# KiCad board design.kicad_pcb (continued)
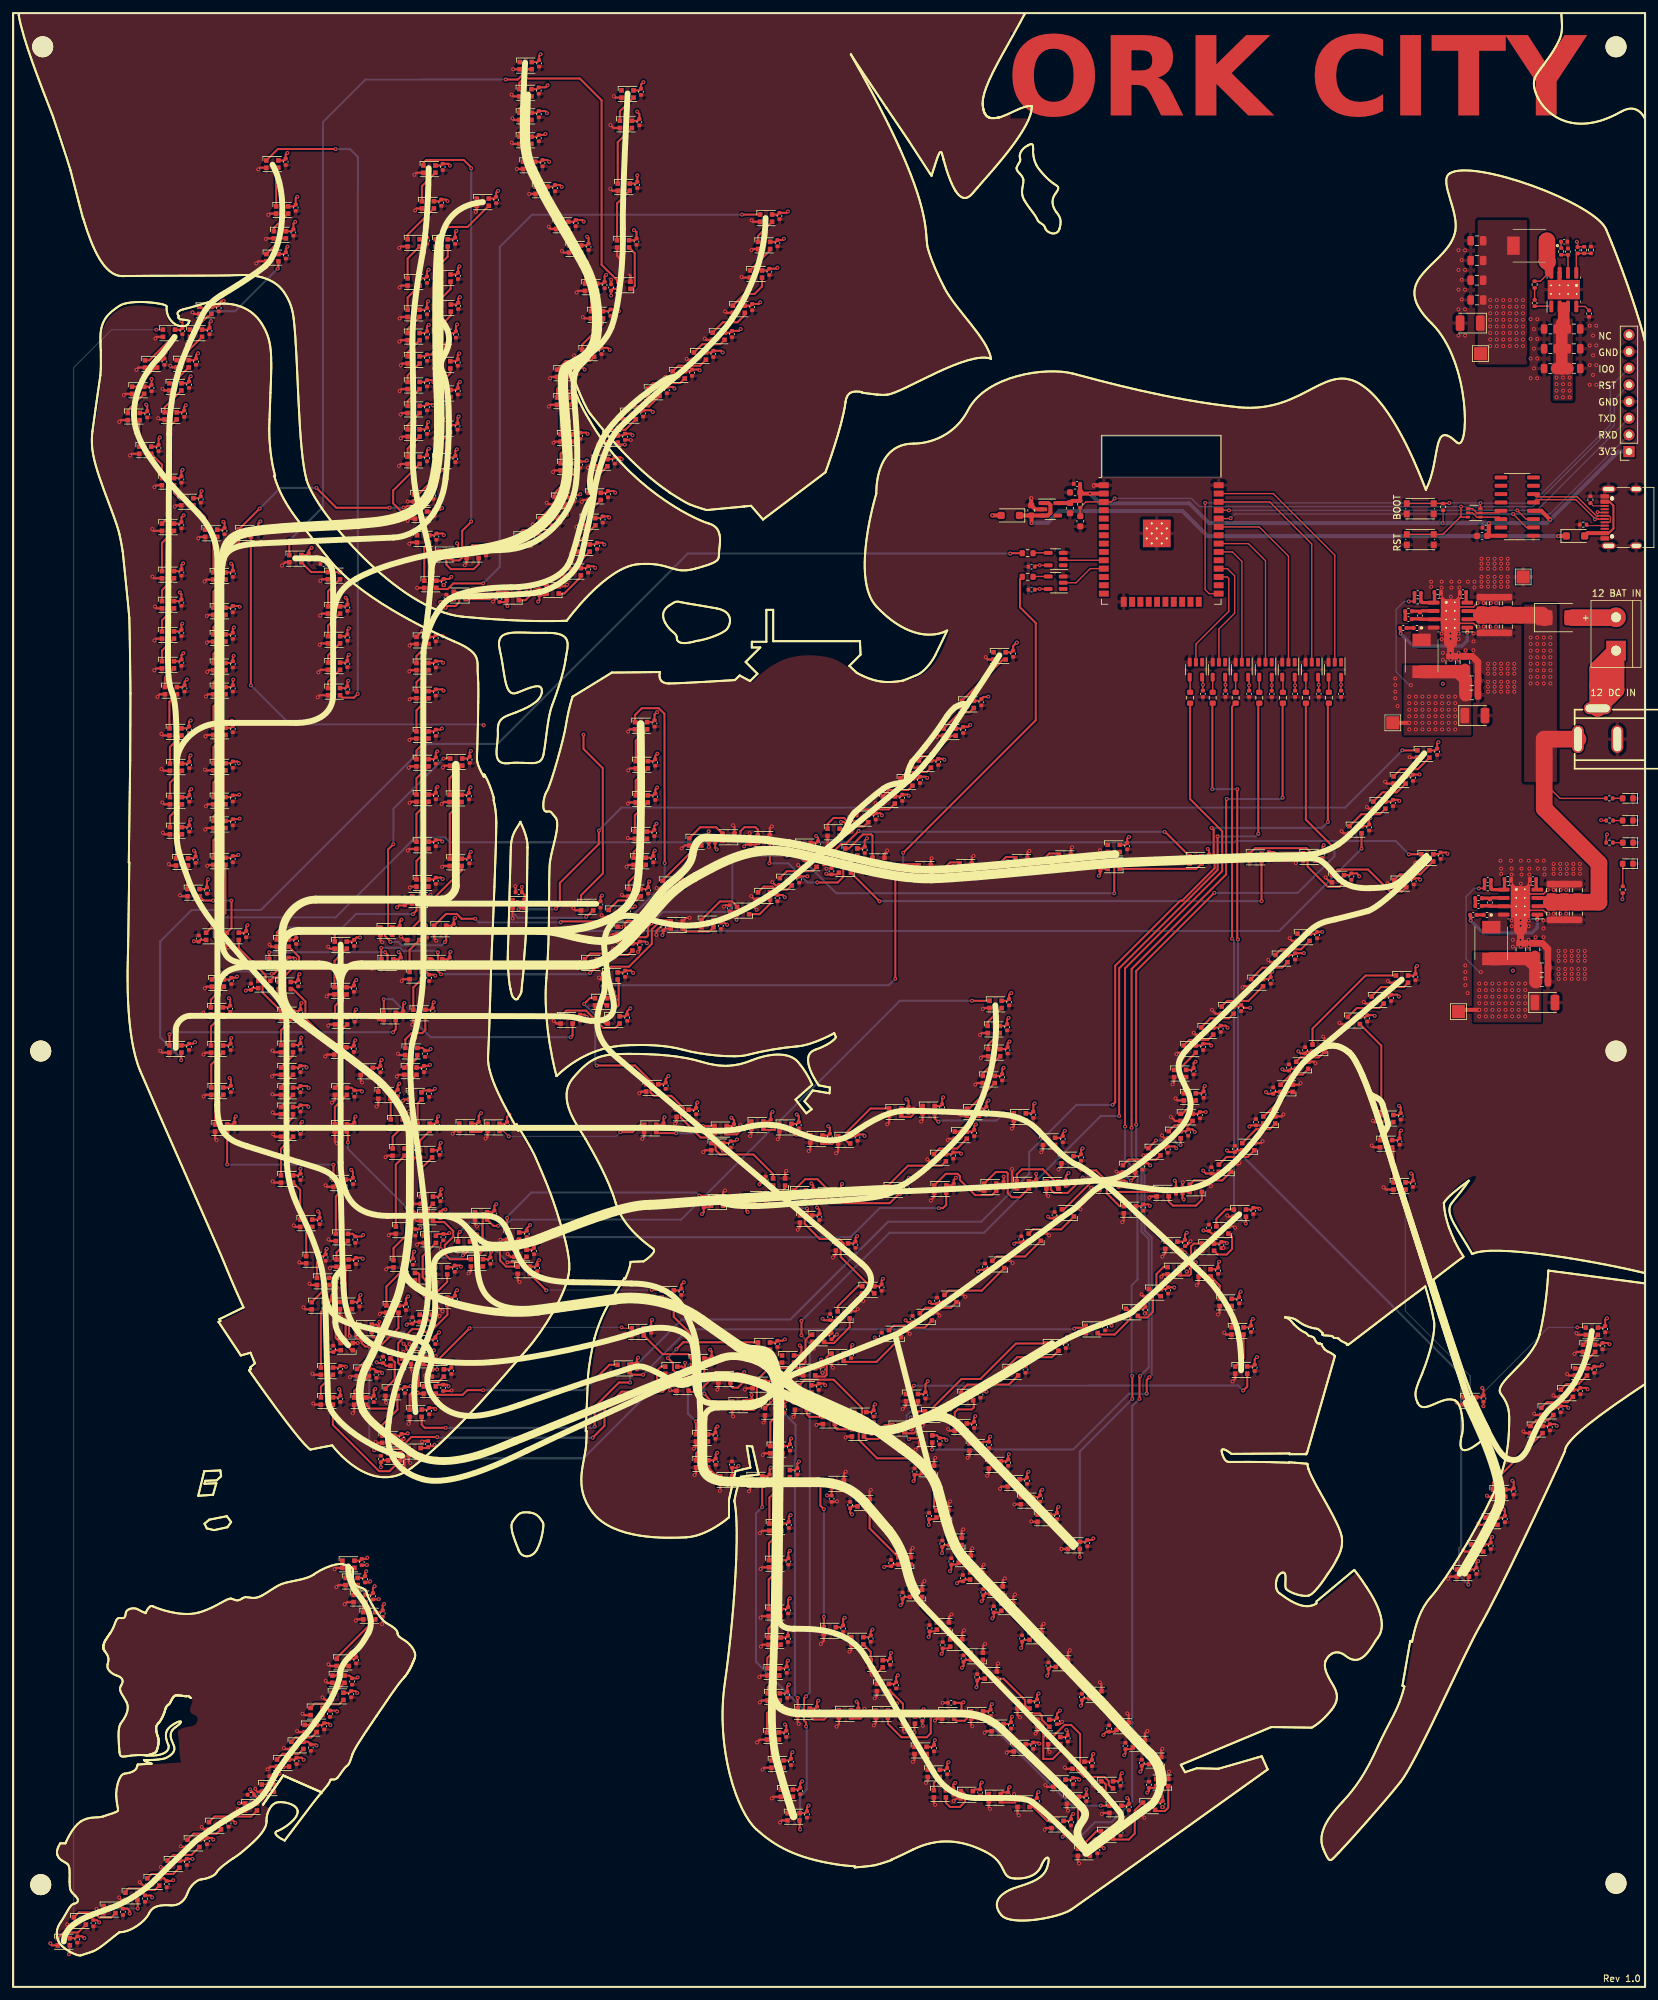
[diagram p0: board, top side]
## Placement (name value [footprint] x y rotation side) (continued)
C330  0.1uF  [C_0402_1005Metric]  141.56 67.52 90 top
C331  0.1uF  [C_0402_1005Metric]  142.94 64.82 90 top
C332  0.1uF  [C_0402_1005Metric]  144.69 62.26 90 top
C333  0.1uF  [C_0402_1005Metric]  147.81 60.12 90 top
C334  0.1uF  [C_0402_1005Metric]  149.4 57.51 90 top
C335  0.1uF  [C_0402_1005Metric]  153.72 53.07 90 top
C336  0.1uF  [C_0402_1005Metric]  157.73 48.95 90 top
C337  0.1uF  [C_0402_1005Metric]  162.83 44.17 90 top
C338  0.1uF  [C_0402_1005Metric]  166.98 39.36 90 top
C339  0.1uF  [C_0402_1005Metric]  169.46 36.7 90 top
C340  0.1uF  [C_0402_1005Metric]  171.95 34.14 90 top
C341  0.1uF  [C_0402_1005Metric]  173.03 30.79 90 top
C342  0.1uF  [C_0402_1005Metric]  175.12 27.86 270 top
C343  0.1uF  [C_0402_1005Metric]  168.72 23.51 270 top
C344  0.1uF  [C_0402_1005Metric]  165.19 20.84 270 top
C345  0.1uF  [C_0402_1005Metric]  163.51 28.77 270 top
C346  0.1uF  [C_0402_1005Metric]  161.47 31.36 270 top
C347  0.1uF  [C_0402_1005Metric]  155.4 36.76 270 top
C348  0.1uF  [C_0402_1005Metric]  152.02 39.84 270 top
C349  0.1uF  [C_0402_1005Metric]  148.91 41.77 270 top
C350  0.1uF  [C_0402_1005Metric]  142.92 43.27 180 top
C351  0.1uF  [C_0402_1005Metric]  134.4 41.89 270 top
C352  0.1uF  [C_0402_1005Metric]  128.77 41.94 270 top
C353  0.1uF  [C_0402_1005Metric]  122.48 42.2 270 top
C354  0.1uF  [C_0402_1005Metric]  116.45 97.96 270 top
C355  0.1uF  [C_0402_1005Metric]  102.33 93.61 270 top
C356  0.1uF  [C_0402_1005Metric]  63.22 82.67 90 top
C357  0.1uF  [C_0402_1005Metric]  54.93 89.58 270 top
C358  0.1uF  [C_0402_1005Metric]  55.35 93.26 270 top
C359  0.1uF  [C_0402_1005Metric]  59.83 103.6 270 top
C360  0.1uF  [C_0402_1005Metric]  60.9 110.5 270 top
C361  0.1uF  [C_0402_1005Metric]  61.27 114.94 270 top
C362  0.1uF  [C_0402_1005Metric]  60.78 127.52 270 top
C363  0.1uF  [C_0402_1005Metric]  60.49 131.95 270 top
C364  0.1uF  [C_0402_1005Metric]  58.58 136.2 270 top
C365  0.1uF  [C_0402_1005Metric]  55.94 139.82 270 top
C366  0.1uF  [C_0402_1005Metric]  51.91 142.93 270 top
C367  0.1uF  [C_0402_1005Metric]  43.44 152.9 270 top
C368  0.1uF  [C_0402_1005Metric]  43.13 159.36 270 top
C369  0.1uF  [C_0402_1005Metric]  59.67 165.24 90 top
C370  0.1uF  [C_0402_1005Metric]  69.49 171.66 270 top
C371  0.1uF  [C_0402_1005Metric]  69.45 181.4 270 top
C372  0.1uF  [C_0402_1005Metric]  69.55 186.94 270 top
C373  0.1uF  [C_0402_1005Metric]  191.75 196.97 270 top
C374  0.1uF  [C_0402_1005Metric]  169.73 173.79 270 top
C375  0.1uF  [C_0402_1005Metric]  158.19 171.59 90 top
C376  0.1uF  [C_0402_1005Metric]  151.56 171.01 90 top
C377  0.1uF  [C_0402_1005Metric]  143.09 170.25 90 top
C378  0.1uF  [C_0402_1005Metric]  136.85 169.97 90 top
C379  0.1uF  [C_0402_1005Metric]  129.79 171.13 90 top
C380  0.1uF  [C_0402_1005Metric]  129.74 173.23 270 top
C381  0.1uF  [C_0402_1005Metric]  112.31 174.53 90 top
C382  0.1uF  [C_0402_1005Metric]  106.95 174.8 90 top
C383  0.1uF  [C_0402_1005Metric]  105.96 174.79 270 top
C384  0.1uF  [C_0402_1005Metric]  101.9 168.29 270 top
C385  0.1uF  [C_0402_1005Metric]  95.05 161.3 270 top
C386  0.1uF  [C_0402_1005Metric]  97.72 192.48 270 top
C387  0.1uF  [C_0402_1005Metric]  97.82 186.53 270 top
C388  0.1uF  [C_0402_1005Metric]  97.83 181.33 270 top
C389  0.1uF  [C_0402_1005Metric]  97.68 175.8 270 top
C390  0.1uF  [C_0402_1005Metric]  97.53 171.82 270 top
C391  0.1uF  [C_0402_1005Metric]  96.75 167.05 270 top
C392  0.1uF  [C_0402_1005Metric]  93.69 163.87 270 top
C393  0.1uF  [C_0402_1005Metric]  67.12 161.46 270 top
C394  0.1uF  [C_0402_1005Metric]  58.9 161.18 270 top
C395  0.1uF  [C_0402_1005Metric]  195.3 197 270 top
C396  0.1uF  [C_0402_1005Metric]  161.16 25.08 270 top
C397  0.1uF  [C_0402_1005Metric]  155.97 28.3 270 top
C398  0.1uF  [C_0402_1005Metric]  151.6 29.16 270 top
C399  0.1uF  [C_0402_1005Metric]  147.34 29.61 270 top
C400  0.1uF  [C_0402_1005Metric]  143.24 29.75 270 top
C401  0.1uF  [C_0402_1005Metric]  142.3 32.86 270 top
C402  0.1uF  [C_0402_1005Metric]  140.3 36.36 270 top
C403  0.1uF  [C_0402_1005Metric]  138.53 41 270 top
C404  0.1uF  [C_0402_1005Metric]  134.53 45.95 270 top
C405  0.1uF  [C_0402_1005Metric]  133.62 49.56 270 top
C406  0.1uF  [C_0402_1005Metric]  130.66 53.07 270 top
C407  0.1uF  [C_0402_1005Metric]  126.45 54.59 270 top
C408  0.1uF  [C_0402_1005Metric]  124.7 74.37 270 top
C409  0.1uF  [C_0402_1005Metric]  127.53 73.41 90 top
C410  0.1uF  [C_0402_1005Metric]  133.77 64.57 90 top
C411  0.1uF  [C_0402_1005Metric]  135.5 59.61 90 top
C412  0.1uF  [C_0402_1005Metric]  139.62 54.64 90 top
C413  0.1uF  [C_0402_1005Metric]  141.62 52.05 90 top
C414  0.1uF  [C_0402_1005Metric]  144.8 50.02 90 top
C415  0.1uF  [C_0402_1005Metric]  146.88 47.16 90 top
C416  0.1uF  [C_0402_1005Metric]  155.99 43.31 270 top
C417  0.1uF  [C_0402_1005Metric]  159.03 40.5 270 top
C418  0.1uF  [C_0402_1005Metric]  160.67 37.86 270 top
C419  0.1uF  [C_0402_1005Metric]  164.36 34.11 270 top
C420  0.1uF  [C_0402_1005Metric]  168.7 31.13 270 top
C421  0.1uF  [C_0402_1005Metric]  169.98 27.39 270 top
C422  0.1uF  [C_0402_1005Metric]  115.25 77.59 270 top
C423  0.1uF  [C_0402_1005Metric]  109.5 79.57 90 top
C424  0.1uF  [C_0402_1005Metric]  107.03 80.02 270 top
C425  0.1uF  [C_0402_1005Metric]  107 83.98 270 top
C426  0.1uF  [C_0402_1005Metric]  101.8 105.9 270 top
C427  0.1uF  [C_0402_1005Metric]  79.84 109.52 270 top
C428  0.1uF  [C_0402_1005Metric]  78.25 114.73 270 top
C429  0.1uF  [C_0402_1005Metric]  105.21 119.24 90 top
C430  0.1uF  [C_0402_1005Metric]  111.7 119.67 90 top
C431  0.1uF  [C_0402_1005Metric]  121.91 121.11 270 top
C432  0.1uF  [C_0402_1005Metric]  126.12 120.94 270 top
C433  0.1uF  [C_0402_1005Metric]  136.14 121.75 270 top
C434  0.1uF  [C_0402_1005Metric]  143.23 126.66 270 top
C435  0.1uF  [C_0402_1005Metric]  146.42 130.09 270 top
C436  0.1uF  [C_0402_1005Metric]  148.28 133.6 270 top
C437  0.1uF  [C_0402_1005Metric]  150.68 138.58 270 top
C438  0.1uF  [C_0402_1005Metric]  151.51 142.67 270 top
C439  0.1uF  [C_0402_1005Metric]  151.43 146.2 270 top
C440  0.1uF  [C_0402_1005Metric]  151.73 150.02 270 top
C441  0.1uF  [C_0402_1005Metric]  73.32 117.8 270 top
C442  0.1uF  [C_0402_1005Metric]  72.71 110.65 270 top
C443  0.1uF  [C_0402_1005Metric]  65.1 117.58 270 top
C444  0.1uF  [C_0402_1005Metric]  51.97 131.2 270 top
C445  0.1uF  [C_0402_1005Metric]  52 136.1 270 top
C446  0.1uF  [C_0402_1005Metric]  52.02 147.52 270 top
C447  0.1uF  [C_0402_1005Metric]  51.92 152.09 270 top
C448  0.1uF  [C_0402_1005Metric]  51.96 159.05 270 top
C449  0.1uF  [C_0402_1005Metric]  73.59 272.24 270 top
C450  0.1uF  [C_0402_1005Metric]  67.34 266.03 270 top
C451  0.1uF  [C_0402_1005Metric]  67.78 260.67 270 top
C452  0.1uF  [C_0402_1005Metric]  67.82 256.1 270 top
C453  0.1uF  [C_0402_1005Metric]  67.46 251.74 270 top
C454  0.1uF  [C_0402_1005Metric]  67.74 247.47 270 top
C455  0.1uF  [C_0402_1005Metric]  67.75 243.09 270 top
C456  0.1uF  [C_0402_1005Metric]  67.71 237.73 270 top
C457  0.1uF  [C_0402_1005Metric]  67.38 232.78 270 top
C458  0.1uF  [C_0402_1005Metric]  64.03 227.18 270 top
C459  0.1uF  [C_0402_1005Metric]  37.35 221.83 270 top
C460  0.1uF  [C_0402_1005Metric]  89.48 164.9 270 top
C461  0.1uF  [C_0402_1005Metric]  77.02 166.77 180 top
C462  0.1uF  [C_0402_1005Metric]  216.94 188.17 270 top
C463  0.1uF  [C_0402_1005Metric]  213.27 184.21 270 top
C464  0.1uF  [C_0402_1005Metric]  210.22 180.37 270 top
C465  0.1uF  [C_0402_1005Metric]  206.59 176.64 270 top
C466  0.1uF  [C_0402_1005Metric]  26.79 143.23 270 top
C467  0.1uF  [C_0402_1005Metric]  59.41 148.19 270 top
C468  0.1uF  [C_0402_1005Metric]  86.36 147.65 270 top
C469  0.1uF  [C_0402_1005Metric]  93.55 147.66 270 top
C470  0.1uF  [C_0402_1005Metric]  93.24 154.35 270 top
C471  0.1uF  [C_0402_1005Metric]  99.05 161.43 90 top
C472  0.1uF  [C_0402_1005Metric]  107.82 161.65 270 top
C473  0.1uF  [C_0402_1005Metric]  109.17 164.31 90 top
C474  0.1uF  [C_0402_1005Metric]  116.44 165.87 270 top
C475  0.1uF  [C_0402_1005Metric]  119.76 168.71 270 top
C476  0.1uF  [C_0402_1005Metric]  123.53 171.52 270 top
C477  0.1uF  [C_0402_1005Metric]  127.04 176.24 270 top
C478  0.1uF  [C_0402_1005Metric]  131.42 178.33 270 top
C479  0.1uF  [C_0402_1005Metric]  135.45 181.16 270 top
C480  0.1uF  [C_0402_1005Metric]  138.15 183.89 270 top
C481  0.1uF  [C_0402_1005Metric]  140.95 186.63 270 top
C482  0.1uF  [C_0402_1005Metric]  144.74 191.5 270 top
C483  0.1uF  [C_0402_1005Metric]  147.51 195.72 270 top
C484  0.1uF  [C_0402_1005Metric]  152.35 203.11 270 top
C485  0.1uF  [C_0402_1005Metric]  155.17 216.37 180 top
C486  0.1uF  [C_0402_1005Metric]  91.64 150.42 270 top
C487  0.1uF  [C_0402_1005Metric]  99.42 137.3 270 top
C488  0.1uF  [C_0402_1005Metric]  104.05 133.43 270 top
C489  0.1uF  [C_0402_1005Metric]  109.33 128.35 270 top
C490  0.1uF  [C_0402_1005Metric]  114.65 122.96 90 top
C491  0.1uF  [C_0402_1005Metric]  122.84 117.32 270 top
C492  0.1uF  [C_0402_1005Metric]  128.33 113.07 270 top
C493  0.1uF  [C_0402_1005Metric]  132.32 106.54 270 top
C494  0.1uF  [C_0402_1005Metric]  124.48 102.04 90 top
C495  0.1uF  [C_0402_1005Metric]  124.69 99.15 270 top
C496  0.1uF  [C_0402_1005Metric]  120.11 95.99 270 top
C497  0.1uF  [C_0402_1005Metric]  155.17 212.87 180 top
C498  0.1uF  [C_0402_1005Metric]  141.16 83.13 270 top
C499  0.1uF  [C_0402_1005Metric]  138.99 90.12 270 top
C500  0.1uF  [C_0402_1005Metric]  189.15 94.31 270 top
C501  0.1uF  [C_0402_1005Metric]  188.58 100.27 270 top
C502  0.1uF  [C_0402_1005Metric]  186.79 104.62 270 top
C503  0.1uF  [C_0402_1005Metric]  183.58 109.12 270 top
C504  0.1uF  [C_0402_1005Metric]  178.53 113.33 270 top
C505  0.1uF  [C_0402_1005Metric]  172.17 118.74 270 top
C506  0.1uF  [C_0402_1005Metric]  162.7 126.36 270 top
C507  0.1uF  [C_0402_1005Metric]  159.92 129.15 270 top
C508  0.1uF  [C_0402_1005Metric]  155.43 132.87 270 top
C509  0.1uF  [C_0402_1005Metric]  141.53 133.99 270 top
C510  0.1uF  [C_0402_1005Metric]  136.42 133.62 270 top
C511  0.1uF  [C_0402_1005Metric]  128.64 129.39 270 top
C512  0.1uF  [C_0402_1005Metric]  124.43 129.5 270 top
C513  0.1uF  [C_0402_1005Metric]  119.69 131.27 270 top
C514  0.1uF  [C_0402_1005Metric]  115.42 131.63 270 top
C515  0.1uF  [C_0402_1005Metric]  109.82 130.95 270 top
C516  0.1uF  [C_0402_1005Metric]  99.09 131.13 270 top
C517  0.1uF  [C_0402_1005Metric]  75.25 131.28 270 top
C518  0.1uF  [C_0402_1005Metric]  70.93 131.31 270 top
C519  0.1uF  [C_0402_1005Metric]  198.9 197 270 top
C520  0.1uF  [C_0402_1005Metric]  63.38 87.73 270 top
C521  0.1uF  [C_0402_1005Metric]  64.33 98.42 270 top
C522  0.1uF  [C_0402_1005Metric]  67.31 104.81 270 top
C523  0.1uF  [C_0402_1005Metric]  67.28 109.42 270 top
C524  0.1uF  [C_0402_1005Metric]  70.75 113.34 270 top
C525  0.1uF  [C_0402_1005Metric]  79.35 112.1 270 top
C526  0.1uF  [C_0402_1005Metric]  143.3 121.89 270 top
C527  0.1uF  [C_0402_1005Metric]  150.91 122.17 270 top
C528  0.1uF  [C_0402_1005Metric]  155.88 122.53 270 top
C529  0.1uF  [C_0402_1005Metric]  160.38 122.51 270 top
C530  0.1uF  [C_0402_1005Metric]  172.04 124.98 270 top
C531  0.1uF  [C_0402_1005Metric]  175.91 127.57 270 top
C532  0.1uF  [C_0402_1005Metric]  179.02 130.17 270 top
C533  0.1uF  [C_0402_1005Metric]  180.81 132.81 270 top
C534  0.1uF  [C_0402_1005Metric]  181.37 135.93 270 top
C535  0.1uF  [C_0402_1005Metric]  179.84 139.49 270 top
C536  0.1uF  [C_0402_1005Metric]  181.3 143.21 270 top
C537  0.1uF  [C_0402_1005Metric]  183.97 145.96 270 top
C538  0.1uF  [C_0402_1005Metric]  187.08 149.15 270 top
C539  0.1uF  [C_0402_1005Metric]  191.59 153.33 270 top
C540  0.1uF  [C_0402_1005Metric]  195.3 157 270 top
C541  0.1uF  [C_0402_1005Metric]  198.66 160.25 270 top
C542  0.1uF  [C_0402_1005Metric]  202.3 197 270 top
D1  MBR230S1F-7  [D_SOD-123F]  238.03 221.04 0 top
D2  MBR230S1F-7  [D_SOD-123F]  151.92 224.17 180 top
D3  RED  [LED_0603_1608Metric]  246.02 174.32 180 top
D4  RED  [LED_0603_1608Metric]  246 181.07 180 top
D5  D_Schottky  [D_SMB]  235.42 208.59 0 top
D6  RED  [LED_0603_1608Metric]  246 177.7 180 top
D7  RED  [LED_0603_1608Metric]  246 171.1 180 top
D9  WS2812B  [LED_WS2812B-2020_PLCC4_2.0x2.0mm]  161.6 67.26 0 top
D10  WS2812B  [LED_WS2812B-2020_PLCC4_2.0x2.0mm]  156.99 71.4 0 top
D11  WS2812B  [LED_WS2812B-2020_PLCC4_2.0x2.0mm]  154.44 74.07 0 top
D12  WS2812B  [LED_WS2812B-2020_PLCC4_2.0x2.0mm]  152.43 76.77 0 top
D13  WS2812B  [LED_WS2812B-2020_PLCC4_2.0x2.0mm]  149.56 79.53 0 top
D14  WS2812B  [LED_WS2812B-2020_PLCC4_2.0x2.0mm]  146.61 82.23 0 top
D15  WS2812B  [LED_WS2812B-2020_PLCC4_2.0x2.0mm]  144.38 85.29 0 top
D16  WS2812B  [LED_WS2812B-2020_PLCC4_2.0x2.0mm]  145.34 89.9 0 top
D17  WS2812B  [LED_WS2812B-2020_PLCC4_2.0x2.0mm]  152.2 93.71 0 top
D18  WS2812B  [LED_WS2812B-2020_PLCC4_2.0x2.0mm]  158.35 97.47 0 top
D19  WS2812B  [LED_WS2812B-2020_PLCC4_2.0x2.0mm]  139.81 87.13 0 top
D20  WS2812B  [LED_WS2812B-2020_PLCC4_2.0x2.0mm]  134.86 85.06 0 top
D21  WS2812B  [LED_WS2812B-2020_PLCC4_2.0x2.0mm]  128.71 84.4 0 top
D22  WS2812B  [LED_WS2812B-2020_PLCC4_2.0x2.0mm]  124.29 86.29 0 top
D23  WS2812B  [LED_WS2812B-2020_PLCC4_2.0x2.0mm]  120.03 88.47 0 top
D24  WS2812B  [LED_WS2812B-2020_PLCC4_2.0x2.0mm]  113.57 91.75 0 top
D25  WS2812B  [LED_WS2812B-2020_PLCC4_2.0x2.0mm]  108.36 92.59 0 top
D26  WS2812B  [LED_WS2812B-2020_PLCC4_2.0x2.0mm]  102 91.37 0 top
D27  WS2812B  [LED_WS2812B-2020_PLCC4_2.0x2.0mm]  57.14 83.42 0 top
D28  WS2812B  [LED_WS2812B-2020_PLCC4_2.0x2.0mm]  57.64 90.58 0 top
D29  WS2812B  [LED_WS2812B-2020_PLCC4_2.0x2.0mm]  58.4 95.18 180 top
D30  WS2812B  [LED_WS2812B-2020_PLCC4_2.0x2.0mm]  62.86 101.86 180 top
D31  WS2812B  [LED_WS2812B-2020_PLCC4_2.0x2.0mm]  62.13 108.22 180 top
D32  WS2812B  [LED_WS2812B-2020_PLCC4_2.0x2.0mm]  63.49 113.88 0 top
D33  WS2812B  [LED_WS2812B-2020_PLCC4_2.0x2.0mm]  63.03 119.85 0 top
D34  WS2812B  [LED_WS2812B-2020_PLCC4_2.0x2.0mm]  62.92 126.9 0 top
D35  WS2812B  [LED_WS2812B-2020_PLCC4_2.0x2.0mm]  62.54 130.95 0 top
D36  WS2812B  [LED_WS2812B-2020_PLCC4_2.0x2.0mm]  61.3 135.74 0 top
D37  WS2812B  [LED_WS2812B-2020_PLCC4_2.0x2.0mm]  60.53 139.5 0 top
D38  WS2812B  [LED_WS2812B-2020_PLCC4_2.0x2.0mm]  60.66 142.51 0 top
D39  WS2812B  [LED_WS2812B-2020_PLCC4_2.0x2.0mm]  61.88 148.32 0 top
D40  WS2812B  [LED_WS2812B-2020_PLCC4_2.0x2.0mm]  61.31 154.07 0 top
D41  WS2812B  [LED_WS2812B-2020_PLCC4_2.0x2.0mm]  60.98 160.03 0 top
D42  WS2812B  [LED_WS2812B-2020_PLCC4_2.0x2.0mm]  62.36 168.18 0 top
D43  WS2812B  [LED_WS2812B-2020_PLCC4_2.0x2.0mm]  62.36 173.92 0 top
D44  WS2812B  [LED_WS2812B-2020_PLCC4_2.0x2.0mm]  62.36 181.1 0 top
D45  WS2812B  [LED_WS2812B-2020_PLCC4_2.0x2.0mm]  62.36 186.49 0 top
D46  WS2812B  [LED_WS2812B-2020_PLCC4_2.0x2.0mm]  62.36 190.73 0 top
D47  WS2812B  [LED_WS2812B-2020_PLCC4_2.0x2.0mm]  62.36 196.87 0 top
D48  WS2812B  [LED_WS2812B-2020_PLCC4_2.0x2.0mm]  62.36 201.15 0 top
D49  WS2812B  [LED_WS2812B-2020_PLCC4_2.0x2.0mm]  62.36 205.13 0 top
D50  WS2812B  [LED_WS2812B-2020_PLCC4_2.0x2.0mm]  68.05 211.97 180 top
D51  WS2812B  [LED_WS2812B-2020_PLCC4_2.0x2.0mm]  76.13 211.81 180 top
D52  WS2812B  [LED_WS2812B-2020_PLCC4_2.0x2.0mm]  82.21 212.83 180 top
D53  WS2812B  [LED_WS2812B-2020_PLCC4_2.0x2.0mm]  85.58 215.61 0 top
D54  WS2812B  [LED_WS2812B-2020_PLCC4_2.0x2.0mm]  86.92 219.21 0 top
D55  WS2812B  [LED_WS2812B-2020_PLCC4_2.0x2.0mm]  87.79 223.22 0 top
D56  WS2812B  [LED_WS2812B-2020_PLCC4_2.0x2.0mm]  88.6 227.07 0 top
D57  WS2812B  [LED_WS2812B-2020_PLCC4_2.0x2.0mm]  89.61 232.21 0 top
D58  WS2812B  [LED_WS2812B-2020_PLCC4_2.0x2.0mm]  91.19 235.82 0 top
D59  WS2812B  [LED_WS2812B-2020_PLCC4_2.0x2.0mm]  93.96 239.38 0 top
D60  WS2812B  [LED_WS2812B-2020_PLCC4_2.0x2.0mm]  97.56 242.93 0 top
D61  WS2812B  [LED_WS2812B-2020_PLCC4_2.0x2.0mm]  101.4 245.58 0 top
D62  WS2812B  [LED_WS2812B-2020_PLCC4_2.0x2.0mm]  104.63 248.45 0 top
D63  WS2812B  [LED_WS2812B-2020_PLCC4_2.0x2.0mm]  107.47 251.47 0 top
D64  WS2812B  [LED_WS2812B-2020_PLCC4_2.0x2.0mm]  110.55 255.58 0 top
D65  WS2812B  [LED_WS2812B-2020_PLCC4_2.0x2.0mm]  113.17 260.95 0 top
D66  WS2812B  [LED_WS2812B-2020_PLCC4_2.0x2.0mm]  114.41 265.31 0 top
D67  WS2812B  [LED_WS2812B-2020_PLCC4_2.0x2.0mm]  114.72 269.46 0 top
D68  WS2812B  [LED_WS2812B-2020_PLCC4_2.0x2.0mm]  93.6 288.38 0 top
D69  WS2812B  [LED_WS2812B-2020_PLCC4_2.0x2.0mm]  93.35 283.75 0 top
D70  WS2812B  [LED_WS2812B-2020_PLCC4_2.0x2.0mm]  93.02 274.19 0 top
D71  WS2812B  [LED_WS2812B-2020_PLCC4_2.0x2.0mm]  92.92 265.55 0 top
D72  WS2812B  [LED_WS2812B-2020_PLCC4_2.0x2.0mm]  93.13 259.24 180 top
D73  WS2812B  [LED_WS2812B-2020_PLCC4_2.0x2.0mm]  78.05 288.57 0 top
D74  WS2812B  [LED_WS2812B-2020_PLCC4_2.0x2.0mm]  78.05 284.97 0 top
D75  WS2812B  [LED_WS2812B-2020_PLCC4_2.0x2.0mm]  78.05 281.32 0 top
D76  WS2812B  [LED_WS2812B-2020_PLCC4_2.0x2.0mm]  78.61 277.51 0 top
D77  WS2812B  [LED_WS2812B-2020_PLCC4_2.0x2.0mm]  80.51 273.71 0 top
D78  WS2812B  [LED_WS2812B-2020_PLCC4_2.0x2.0mm]  83.66 268.37 0 top
D79  WS2812B  [LED_WS2812B-2020_PLCC4_2.0x2.0mm]  85.61 264.77 0 top
D80  WS2812B  [LED_WS2812B-2020_PLCC4_2.0x2.0mm]  88.05 258.94 0 top
D81  WS2812B  [LED_WS2812B-2020_PLCC4_2.0x2.0mm]  88.95 254.74 0 top
D82  WS2812B  [LED_WS2812B-2020_PLCC4_2.0x2.0mm]  87.6 248.89 0 top
D83  WS2812B  [LED_WS2812B-2020_PLCC4_2.0x2.0mm]  83.78 245.83 0 top
D84  WS2812B  [LED_WS2812B-2020_PLCC4_2.0x2.0mm]  83.78 241.58 0 top
D85  WS2812B  [LED_WS2812B-2020_PLCC4_2.0x2.0mm]  84.33 235.97 0 top
D86  WS2812B  [LED_WS2812B-2020_PLCC4_2.0x2.0mm]  84.33 231.58 0 top
D87  WS2812B  [LED_WS2812B-2020_PLCC4_2.0x2.0mm]  83.41 226.44 0 top
D88  WS2812B  [LED_WS2812B-2020_PLCC4_2.0x2.0mm]  81.19 223.16 0 top
D89  WS2812B  [LED_WS2812B-2020_PLCC4_2.0x2.0mm]  77.7 220.53 0 top
D90  WS2812B  [LED_WS2812B-2020_PLCC4_2.0x2.0mm]  70 218.22 0 top
D91  WS2812B  [LED_WS2812B-2020_PLCC4_2.0x2.0mm]  65.74 218.22 0 top
D92  WS2812B  [LED_WS2812B-2020_PLCC4_2.0x2.0mm]  63.41 276.93 0 top
D93  WS2812B  [LED_WS2812B-2020_PLCC4_2.0x2.0mm]  63.19 271.49 0 top
D94  WS2812B  [LED_WS2812B-2020_PLCC4_2.0x2.0mm]  61.02 265.7 0 top
D95  WS2812B  [LED_WS2812B-2020_PLCC4_2.0x2.0mm]  61.02 259.75 0 top
D96  WS2812B  [LED_WS2812B-2020_PLCC4_2.0x2.0mm]  61.02 254.96 0 top
D97  WS2812B  [LED_WS2812B-2020_PLCC4_2.0x2.0mm]  61.02 251.42 0 top
D98  WS2812B  [LED_WS2812B-2020_PLCC4_2.0x2.0mm]  61.02 247.87 0 top
D99  WS2812B  [LED_WS2812B-2020_PLCC4_2.0x2.0mm]  61.02 243.97 0 top
D100  WS2812B  [LED_WS2812B-2020_PLCC4_2.0x2.0mm]  61.02 240.32 0 top
D101  WS2812B  [LED_WS2812B-2020_PLCC4_2.0x2.0mm]  61.02 236.74 0 top
D102  WS2812B  [LED_WS2812B-2020_PLCC4_2.0x2.0mm]  61.02 232.56 0 top
D103  WS2812B  [LED_WS2812B-2020_PLCC4_2.0x2.0mm]  62.13 224.22 0 top
D104  WS2812B  [LED_WS2812B-2020_PLCC4_2.0x2.0mm]  62.45 220.61 0 top
D105  WS2812B  [LED_WS2812B-2020_PLCC4_2.0x2.0mm]  63.55 213.68 0 top
D106  WS2812B  [LED_WS2812B-2020_PLCC4_2.0x2.0mm]  220.88 63.06 0 top
D107  WS2812B  [LED_WS2812B-2020_PLCC4_2.0x2.0mm]  223.06 66.86 0 top
D108  WS2812B  [LED_WS2812B-2020_PLCC4_2.0x2.0mm]  225.23 70.94 0 top
D109  WS2812B  [LED_WS2812B-2020_PLCC4_2.0x2.0mm]  226.4 75.22 0 top
D110  WS2812B  [LED_WS2812B-2020_PLCC4_2.0x2.0mm]  232.09 84.91 0 top
D111  WS2812B  [LED_WS2812B-2020_PLCC4_2.0x2.0mm]  233.73 87.67 0 top
D112  WS2812B  [LED_WS2812B-2020_PLCC4_2.0x2.0mm]  236.71 90.44 0 top
D113  WS2812B  [LED_WS2812B-2020_PLCC4_2.0x2.0mm]  238.87 93.69 0 top
D114  WS2812B  [LED_WS2812B-2020_PLCC4_2.0x2.0mm]  240.1 97.28 0 top
D115  WS2812B  [LED_WS2812B-2020_PLCC4_2.0x2.0mm]  240.52 99.88 0 top
D116  WS2812B  [LED_WS2812B-2020_PLCC4_2.0x2.0mm]  221.97 89.29 0 top
D117  WS2812B  [LED_WS2812B-2020_PLCC4_2.0x2.0mm]  211.21 122.02 0 top
D118  WS2812B  [LED_WS2812B-2020_PLCC4_2.0x2.0mm]  209.16 128.46 0 top
D119  WS2812B  [LED_WS2812B-2020_PLCC4_2.0x2.0mm]  209.36 132.29 0 top
D120  WS2812B  [LED_WS2812B-2020_PLCC4_2.0x2.0mm]  204.26 147.22 0 top
D121  WS2812B  [LED_WS2812B-2020_PLCC4_2.0x2.0mm]  207.88 150.34 0 top
D122  WS2812B  [LED_WS2812B-2020_PLCC4_2.0x2.0mm]  211.6 153.53 0 top
D123  WS2812B  [LED_WS2812B-2020_PLCC4_2.0x2.0mm]  198.88 143.02 180 top
D124  WS2812B  [LED_WS2812B-2020_PLCC4_2.0x2.0mm]  196.4 140.4 180 top
D125  WS2812B  [LED_WS2812B-2020_PLCC4_2.0x2.0mm]  194.01 136.89 180 top
D126  WS2812B  [LED_WS2812B-2020_PLCC4_2.0x2.0mm]  191.38 132.07 180 top
D127  WS2812B  [LED_WS2812B-2020_PLCC4_2.0x2.0mm]  188.19 128 180 top
D128  WS2812B  [LED_WS2812B-2020_PLCC4_2.0x2.0mm]  184.62 124.73 180 top
D129  WS2812B  [LED_WS2812B-2020_PLCC4_2.0x2.0mm]  180.19 121.66 180 top
D130  WS2812B  [LED_WS2812B-2020_PLCC4_2.0x2.0mm]  175.13 120.98 0 top
D131  WS2812B  [LED_WS2812B-2020_PLCC4_2.0x2.0mm]  166.41 122.04 0 top
D132  WS2812B  [LED_WS2812B-2020_PLCC4_2.0x2.0mm]  160.7 117.91 180 top
D133  WS2812B  [LED_WS2812B-2020_PLCC4_2.0x2.0mm]  155.65 114.21 180 top
D134  WS2812B  [LED_WS2812B-2020_PLCC4_2.0x2.0mm]  150.09 110.06 180 top
D135  WS2812B  [LED_WS2812B-2020_PLCC4_2.0x2.0mm]  142.81 104.87 180 top
D136  WS2812B  [LED_WS2812B-2020_PLCC4_2.0x2.0mm]  139.06 102.08 180 top
D137  WS2812B  [LED_WS2812B-2020_PLCC4_2.0x2.0mm]  134.37 99.51 180 top
D138  WS2812B  [LED_WS2812B-2020_PLCC4_2.0x2.0mm]  125.61 95.94 0 top
D139  WS2812B  [LED_WS2812B-2020_PLCC4_2.0x2.0mm]  121.28 93.71 0 top
D140  WS2812B  [LED_WS2812B-2020_PLCC4_2.0x2.0mm]  110.48 88.62 0 top
D141  WS2812B  [LED_WS2812B-2020_PLCC4_2.0x2.0mm]  104.39 95.21 0 top
D142  WS2812B  [LED_WS2812B-2020_PLCC4_2.0x2.0mm]  95.17 99.79 0 top
D143  WS2812B  [LED_WS2812B-2020_PLCC4_2.0x2.0mm]  61.53 95.45 0 top
D144  WS2812B  [LED_WS2812B-2020_PLCC4_2.0x2.0mm]  50.71 103.8 0 top
D145  WS2812B  [LED_WS2812B-2020_PLCC4_2.0x2.0mm]  50.83 97.54 180 top
D146  WS2812B  [LED_WS2812B-2020_PLCC4_2.0x2.0mm]  50.18 110.26 0 top
D147  WS2812B  [LED_WS2812B-2020_PLCC4_2.0x2.0mm]  50.08 114.18 0 top
D148  WS2812B  [LED_WS2812B-2020_PLCC4_2.0x2.0mm]  49.72 122.44 0 top
D149  WS2812B  [LED_WS2812B-2020_PLCC4_2.0x2.0mm]  31.69 130.84 0 top
D150  WS2812B  [LED_WS2812B-2020_PLCC4_2.0x2.0mm]  31.1 136.46 0 top
D151  WS2812B  [LED_WS2812B-2020_PLCC4_2.0x2.0mm]  31.07 142.88 0 top
D152  WS2812B  [LED_WS2812B-2020_PLCC4_2.0x2.0mm]  31.03 148.68 0 top
D153  WS2812B  [LED_WS2812B-2020_PLCC4_2.0x2.0mm]  31.19 152.93 0 top
D154  WS2812B  [LED_WS2812B-2020_PLCC4_2.0x2.0mm]  39.94 156.01 0 top
D155  WS2812B  [LED_WS2812B-2020_PLCC4_2.0x2.0mm]  57 156.01 0 top
D156  WS2812B  [LED_WS2812B-2020_PLCC4_2.0x2.0mm]  64.45 156.01 0 top
D157  WS2812B  [LED_WS2812B-2020_PLCC4_2.0x2.0mm]  88 156.01 0 top
D158  WS2812B  [LED_WS2812B-2020_PLCC4_2.0x2.0mm]  93.42 158.44 0 top
D159  WS2812B  [LED_WS2812B-2020_PLCC4_2.0x2.0mm]  120.59 173.73 0 top
D160  WS2812B  [LED_WS2812B-2020_PLCC4_2.0x2.0mm]  167.68 170.88 180 top
D161  WS2812B  [LED_WS2812B-2020_PLCC4_2.0x2.0mm]  180.15 171.7 0 top
D162  WS2812B  [LED_WS2812B-2020_PLCC4_2.0x2.0mm]  126.73 170.3 180 top
D163  WS2812B  [LED_WS2812B-2020_PLCC4_2.0x2.0mm]  189.28 172.08 0 top
D164  WS2812B  [LED_WS2812B-2020_PLCC4_2.0x2.0mm]  197.45 172.15 0 top
D165  WS2812B  [LED_WS2812B-2020_PLCC4_2.0x2.0mm]  201.84 168.82 0 top
D166  WS2812B  [LED_WS2812B-2020_PLCC4_2.0x2.0mm]  211.34 168.09 0 top
D167  WS2812B  [LED_WS2812B-2020_PLCC4_2.0x2.0mm]  215.44 172 0 top
D168  WS2812B  [LED_WS2812B-2020_PLCC4_2.0x2.0mm]  51.08 64.38 0 top
D169  WS2812B  [LED_WS2812B-2020_PLCC4_2.0x2.0mm]  51.57 61.76 0 top
D170  WS2812B  [LED_WS2812B-2020_PLCC4_2.0x2.0mm]  52.78 59.17 0 top
D171  WS2812B  [LED_WS2812B-2020_PLCC4_2.0x2.0mm]  54.25 56.54 0 top
D172  WS2812B  [LED_WS2812B-2020_PLCC4_2.0x2.0mm]  50.21 49.43 0 top
D173  WS2812B  [LED_WS2812B-2020_PLCC4_2.0x2.0mm]  49.56 46.87 0 top
D174  WS2812B  [LED_WS2812B-2020_PLCC4_2.0x2.0mm]  49.41 44.26 0 top
D175  WS2812B  [LED_WS2812B-2020_PLCC4_2.0x2.0mm]  46.22 41.95 0 top
D176  WS2812B  [LED_WS2812B-2020_PLCC4_2.0x2.0mm]  45.33 39.36 0 top
D177  WS2812B  [LED_WS2812B-2020_PLCC4_2.0x2.0mm]  43.3 36.79 0 top
D178  WS2812B  [LED_WS2812B-2020_PLCC4_2.0x2.0mm]  41.11 34.1 0 top
D179  WS2812B  [LED_WS2812B-2020_PLCC4_2.0x2.0mm]  38.8 30.27 0 top
D180  WS2812B  [LED_WS2812B-2020_PLCC4_2.0x2.0mm]  36.23 27.41 0 top
D181  WS2812B  [LED_WS2812B-2020_PLCC4_2.0x2.0mm]  30.75 24.55 0 top
D182  WS2812B  [LED_WS2812B-2020_PLCC4_2.0x2.0mm]  27.47 21.86 0 top
D183  WS2812B  [LED_WS2812B-2020_PLCC4_2.0x2.0mm]  24.43 18.7 0 top
D184  WS2812B  [LED_WS2812B-2020_PLCC4_2.0x2.0mm]  21.35 15.99 0 top
D185  WS2812B  [LED_WS2812B-2020_PLCC4_2.0x2.0mm]  18.02 13.79 0 top
D186  WS2812B  [LED_WS2812B-2020_PLCC4_2.0x2.0mm]  14.68 11.78 0 top
D187  WS2812B  [LED_WS2812B-2020_PLCC4_2.0x2.0mm]  10.17 10.04 0 top
D188  WS2812B  [LED_WS2812B-2020_PLCC4_2.0x2.0mm]  7.72 6.88 0 top
D189  WS2812B  [LED_WS2812B-2020_PLCC4_2.0x2.0mm]  23.75 251.93 0 top
D190  WS2812B  [LED_WS2812B-2020_PLCC4_2.0x2.0mm]  21.01 247.26 0 top
D191  WS2812B  [LED_WS2812B-2020_PLCC4_2.0x2.0mm]  19.04 243.24 0 top
D192  WS2812B  [LED_WS2812B-2020_PLCC4_2.0x2.0mm]  18.38 239.24 0 top
D193  WS2812B  [LED_WS2812B-2020_PLCC4_2.0x2.0mm]  20.12 234.11 0 top
D194  WS2812B  [LED_WS2812B-2020_PLCC4_2.0x2.0mm]  23.59 229.32 0 top
D195  WS2812B  [LED_WS2812B-2020_PLCC4_2.0x2.0mm]  26.54 226.26 0 top
D196  WS2812B  [LED_WS2812B-2020_PLCC4_2.0x2.0mm]  30.17 221.45 0 top
D197  WS2812B  [LED_WS2812B-2020_PLCC4_2.0x2.0mm]  31.43 214.95 0 top
D198  WS2812B  [LED_WS2812B-2020_PLCC4_2.0x2.0mm]  31.43 209.57 0 top
D199  WS2812B  [LED_WS2812B-2020_PLCC4_2.0x2.0mm]  31.43 205.5 0 top
D200  WS2812B  [LED_WS2812B-2020_PLCC4_2.0x2.0mm]  31.43 201.15 0 top
D201  WS2812B  [LED_WS2812B-2020_PLCC4_2.0x2.0mm]  31.43 197.48 0 top
D202  WS2812B  [LED_WS2812B-2020_PLCC4_2.0x2.0mm]  31.43 191.28 0 top
D203  WS2812B  [LED_WS2812B-2020_PLCC4_2.0x2.0mm]  31.43 185.87 0 top
D204  WS2812B  [LED_WS2812B-2020_PLCC4_2.0x2.0mm]  31.43 180.72 0 top
D205  WS2812B  [LED_WS2812B-2020_PLCC4_2.0x2.0mm]  31.43 177.09 0 top
D206  WS2812B  [LED_WS2812B-2020_PLCC4_2.0x2.0mm]  31.43 171.48 0 top
D207  WS2812B  [LED_WS2812B-2020_PLCC4_2.0x2.0mm]  30.32 160.05 180 top
D208  WS2812B  [LED_WS2812B-2020_PLCC4_2.0x2.0mm]  186.91 117.88 0 top
D209  WS2812B  [LED_WS2812B-2020_PLCC4_2.0x2.0mm]  184.23 115.31 180 top
D210  WS2812B  [LED_WS2812B-2020_PLCC4_2.0x2.0mm]  182.05 112.69 0 top
D211  WS2812B  [LED_WS2812B-2020_PLCC4_2.0x2.0mm]  176.81 109.1 0 top
D212  WS2812B  [LED_WS2812B-2020_PLCC4_2.0x2.0mm]  173.92 105.77 0 top
D213  WS2812B  [LED_WS2812B-2020_PLCC4_2.0x2.0mm]  170.44 102.77 0 top
D214  WS2812B  [LED_WS2812B-2020_PLCC4_2.0x2.0mm]  164.32 100.16 0 top
D215  WS2812B  [LED_WS2812B-2020_PLCC4_2.0x2.0mm]  92.99 94.22 0 top
D216  WS2812B  [LED_WS2812B-2020_PLCC4_2.0x2.0mm]  63.47 90.93 0 top
D217  WS2812B  [LED_WS2812B-2020_PLCC4_2.0x2.0mm]  64.7 93.52 0 top
D218  WS2812B  [LED_WS2812B-2020_PLCC4_2.0x2.0mm]  53.71 100.35 0 top
D219  WS2812B  [LED_WS2812B-2020_PLCC4_2.0x2.0mm]  58.06 80.76 180 top
D220  WS2812B  [LED_WS2812B-2020_PLCC4_2.0x2.0mm]  47.8 89.26 0 top
D221  WS2812B  [LED_WS2812B-2020_PLCC4_2.0x2.0mm]  47.8 93.8 0 top
D222  WS2812B  [LED_WS2812B-2020_PLCC4_2.0x2.0mm]  46.41 103.77 0 top
D223  WS2812B  [LED_WS2812B-2020_PLCC4_2.0x2.0mm]  47.2 107.48 0 top
D224  WS2812B  [LED_WS2812B-2020_PLCC4_2.0x2.0mm]  45.56 110.78 0 top
D225  WS2812B  [LED_WS2812B-2020_PLCC4_2.0x2.0mm]  44.65 116.34 0 top
D226  WS2812B  [LED_WS2812B-2020_PLCC4_2.0x2.0mm]  41.72 123.08 0 top
D227  WS2812B  [LED_WS2812B-2020_PLCC4_2.0x2.0mm]  41.72 130.08 0 top
D228  WS2812B  [LED_WS2812B-2020_PLCC4_2.0x2.0mm]  41.72 133.5 0 top
D229  WS2812B  [LED_WS2812B-2020_PLCC4_2.0x2.0mm]  41.72 136.44 0 top
D230  WS2812B  [LED_WS2812B-2020_PLCC4_2.0x2.0mm]  41.72 139.51 0 top
D231  WS2812B  [LED_WS2812B-2020_PLCC4_2.0x2.0mm]  41.72 142.94 0 top
D232  WS2812B  [LED_WS2812B-2020_PLCC4_2.0x2.0mm]  41.72 148.11 0 top
D233  WS2812B  [LED_WS2812B-2020_PLCC4_2.0x2.0mm]  38.26 152.71 180 top
D234  WS2812B  [LED_WS2812B-2020_PLCC4_2.0x2.0mm]  33.47 160.05 0 top
D235  WS2812B  [LED_WS2812B-2020_PLCC4_2.0x2.0mm]  27.48 166.7 0 top
D236  WS2812B  [LED_WS2812B-2020_PLCC4_2.0x2.0mm]  25.72 171.38 0 top
D237  WS2812B  [LED_WS2812B-2020_PLCC4_2.0x2.0mm]  24.8 176.14 0 top
D238  WS2812B  [LED_WS2812B-2020_PLCC4_2.0x2.0mm]  24.8 180.71 0 top
D239  WS2812B  [LED_WS2812B-2020_PLCC4_2.0x2.0mm]  24.8 185.82 0 top
D240  WS2812B  [LED_WS2812B-2020_PLCC4_2.0x2.0mm]  24.73 191.2 0 top
D241  WS2812B  [LED_WS2812B-2020_PLCC4_2.0x2.0mm]  24.04 197.48 0 top
D242  WS2812B  [LED_WS2812B-2020_PLCC4_2.0x2.0mm]  23.59 201.42 0 top
D243  WS2812B  [LED_WS2812B-2020_PLCC4_2.0x2.0mm]  23.59 205.96 0 top
D244  WS2812B  [LED_WS2812B-2020_PLCC4_2.0x2.0mm]  23.59 210.57 0 top
D245  WS2812B  [LED_WS2812B-2020_PLCC4_2.0x2.0mm]  23.59 215.15 0 top
D246  WS2812B  [LED_WS2812B-2020_PLCC4_2.0x2.0mm]  23.59 222.37 0 top
D247  WS2812B  [LED_WS2812B-2020_PLCC4_2.0x2.0mm]  23.99 239.34 0 top
D248  WS2812B  [LED_WS2812B-2020_PLCC4_2.0x2.0mm]  24.71 243.76 0 top
D249  WS2812B  [LED_WS2812B-2020_PLCC4_2.0x2.0mm]  25.83 247.28 0 top
D250  WS2812B  [LED_WS2812B-2020_PLCC4_2.0x2.0mm]  27.86 251.93 0 top
D251  WS2812B  [LED_WS2812B-2020_PLCC4_2.0x2.0mm]  29.28 255.41 0 top
D252  WS2812B  [LED_WS2812B-2020_PLCC4_2.0x2.0mm]  39.5 263.45 0 top
D253  WS2812B  [LED_WS2812B-2020_PLCC4_2.0x2.0mm]  40.64 266.93 0 top
D254  WS2812B  [LED_WS2812B-2020_PLCC4_2.0x2.0mm]  40.99 270.71 0 top
D255  WS2812B  [LED_WS2812B-2020_PLCC4_2.0x2.0mm]  39.48 277.7 0 top
D256  WS2812B  [LED_WS2812B-2020_PLCC4_2.0x2.0mm]  48.89 197.33 0 top
D257  WS2812B  [LED_WS2812B-2020_PLCC4_2.0x2.0mm]  48.89 201.21 0 top
D258  WS2812B  [LED_WS2812B-2020_PLCC4_2.0x2.0mm]  48.89 205.23 0 top
D259  WS2812B  [LED_WS2812B-2020_PLCC4_2.0x2.0mm]  48.89 209.77 0 top
D260  WS2812B  [LED_WS2812B-2020_PLCC4_2.0x2.0mm]  48.89 215 0 top
D261  WS2812B  [LED_WS2812B-2020_PLCC4_2.0x2.0mm]  42.99 217.59 0 top
D262  WS2812B  [LED_WS2812B-2020_PLCC4_2.0x2.0mm]  78.09 292.7 0 top
D263  WS2812B  [LED_WS2812B-2020_PLCC4_2.0x2.0mm]  118.9 25.92 0 top
D264  WS2812B  [LED_WS2812B-2020_PLCC4_2.0x2.0mm]  117.87 29.51 0 top
D265  WS2812B  [LED_WS2812B-2020_PLCC4_2.0x2.0mm]  116.45 33.94 0 top
D266  WS2812B  [LED_WS2812B-2020_PLCC4_2.0x2.0mm]  115.76 38.22 0 top
D267  WS2812B  [LED_WS2812B-2020_PLCC4_2.0x2.0mm]  115.88 44.18 0 top
D268  WS2812B  [LED_WS2812B-2020_PLCC4_2.0x2.0mm]  115.81 47.98 0 top
D269  WS2812B  [LED_WS2812B-2020_PLCC4_2.0x2.0mm]  116 52.68 0 top
D270  WS2812B  [LED_WS2812B-2020_PLCC4_2.0x2.0mm]  116.03 57.03 0 top
D271  WS2812B  [LED_WS2812B-2020_PLCC4_2.0x2.0mm]  116.07 64.47 0 top
D272  WS2812B  [LED_WS2812B-2020_PLCC4_2.0x2.0mm]  116.14 70.04 0 top
D273  WS2812B  [LED_WS2812B-2020_PLCC4_2.0x2.0mm]  117.42 78.2 0 top
D274  WS2812B  [LED_WS2812B-2020_PLCC4_2.0x2.0mm]  116.28 81.85 0 top
D275  WS2812B  [LED_WS2812B-2020_PLCC4_2.0x2.0mm]  115.45 87.63 0 top
D276  WS2812B  [LED_WS2812B-2020_PLCC4_2.0x2.0mm]  120.69 91.1 0 top
D277  WS2812B  [LED_WS2812B-2020_PLCC4_2.0x2.0mm]  129.05 87.03 0 top
D278  WS2812B  [LED_WS2812B-2020_PLCC4_2.0x2.0mm]  139.39 78.85 180 top
D279  WS2812B  [LED_WS2812B-2020_PLCC4_2.0x2.0mm]  141.59 72.07 180 top
D280  WS2812B  [LED_WS2812B-2020_PLCC4_2.0x2.0mm]  143.6 67.86 180 top
D281  WS2812B  [LED_WS2812B-2020_PLCC4_2.0x2.0mm]  144.97 65.16 180 top
D282  WS2812B  [LED_WS2812B-2020_PLCC4_2.0x2.0mm]  146.72 62.6 180 top
D283  WS2812B  [LED_WS2812B-2020_PLCC4_2.0x2.0mm]  149.85 60.46 180 top
D284  WS2812B  [LED_WS2812B-2020_PLCC4_2.0x2.0mm]  151.46 57.85 180 top
D285  WS2812B  [LED_WS2812B-2020_PLCC4_2.0x2.0mm]  155.77 53.41 180 top
D286  WS2812B  [LED_WS2812B-2020_PLCC4_2.0x2.0mm]  159.78 49.29 180 top
D287  WS2812B  [LED_WS2812B-2020_PLCC4_2.0x2.0mm]  164.89 44.51 180 top
